# Altium PCB KIPGRDMCU.PcbDoc (part 1 of 2)
Units mm, origin at the board's own origin, x right, y up, seen from the top; angles counter-clockwise.
Board outline 110 x 75 mm, 2 copper layers (Top Layer, Bottom Layer), stack 1.569 mm thick; 130 components, 84 nets, 432 pads, 177 vias.
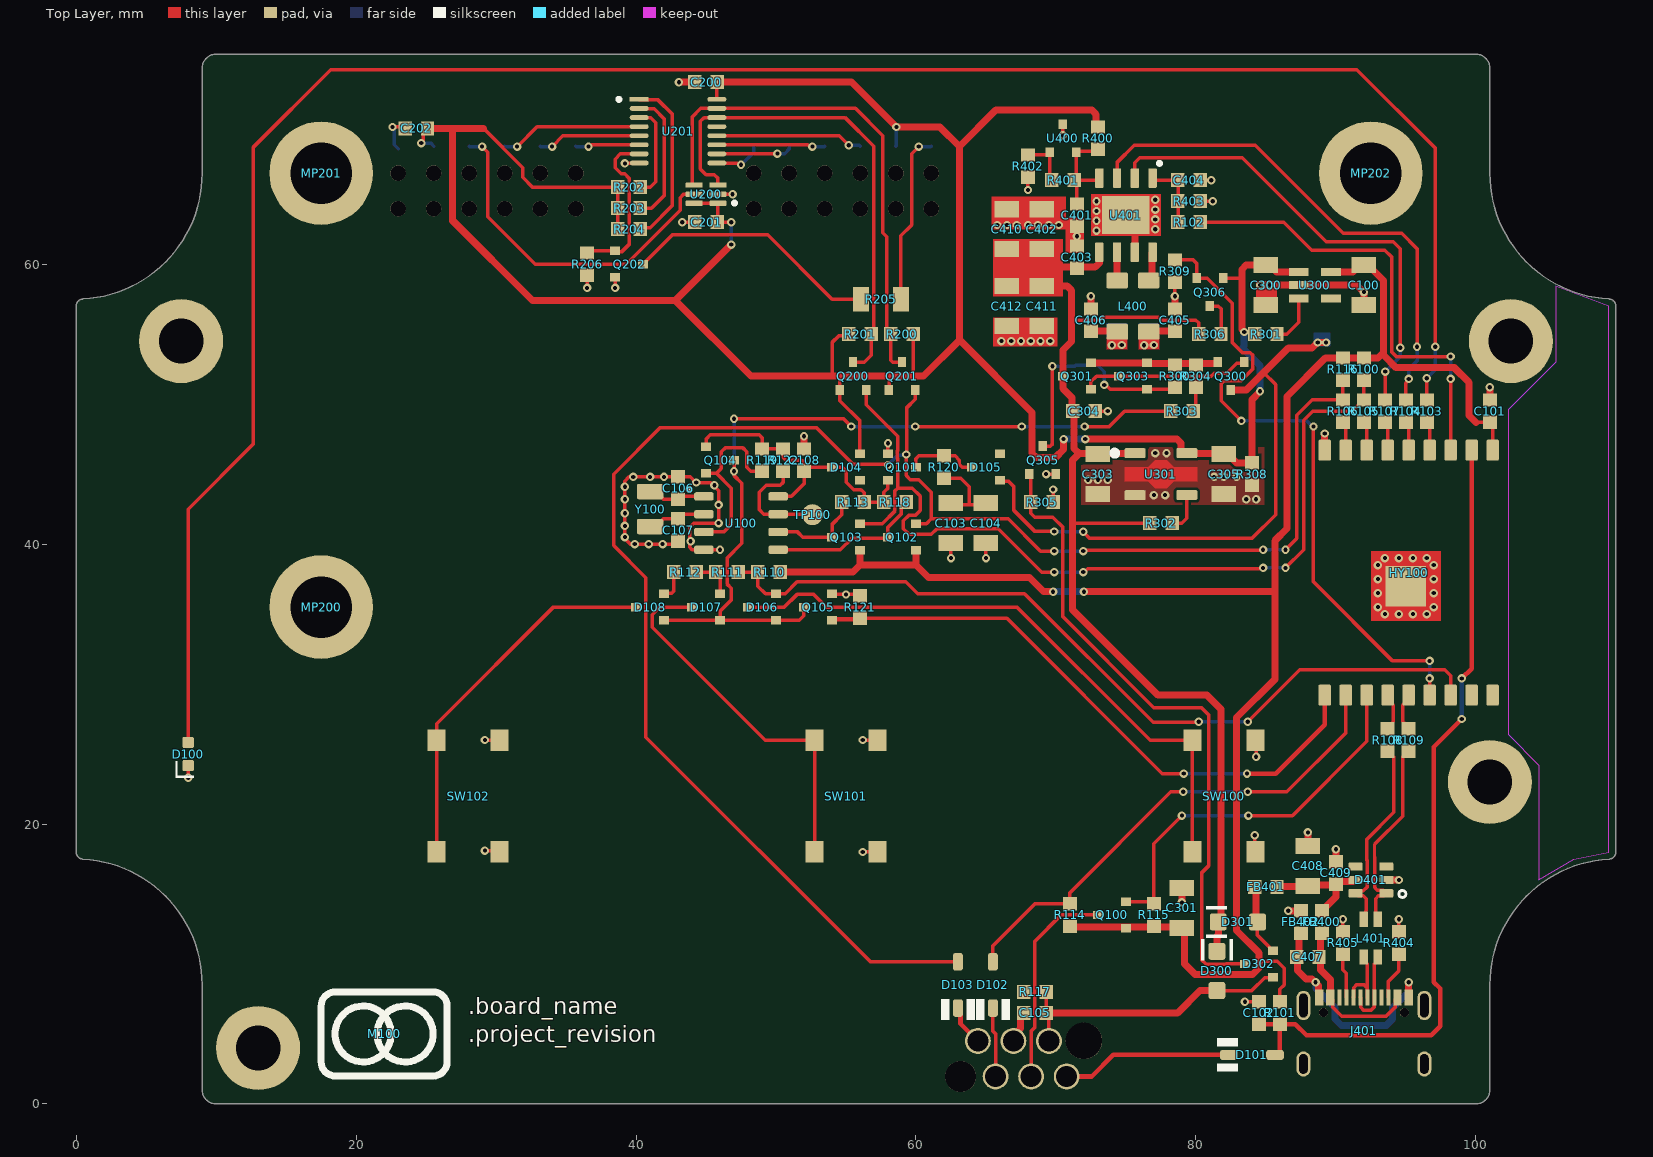
[diagram p0: Top Layer view]
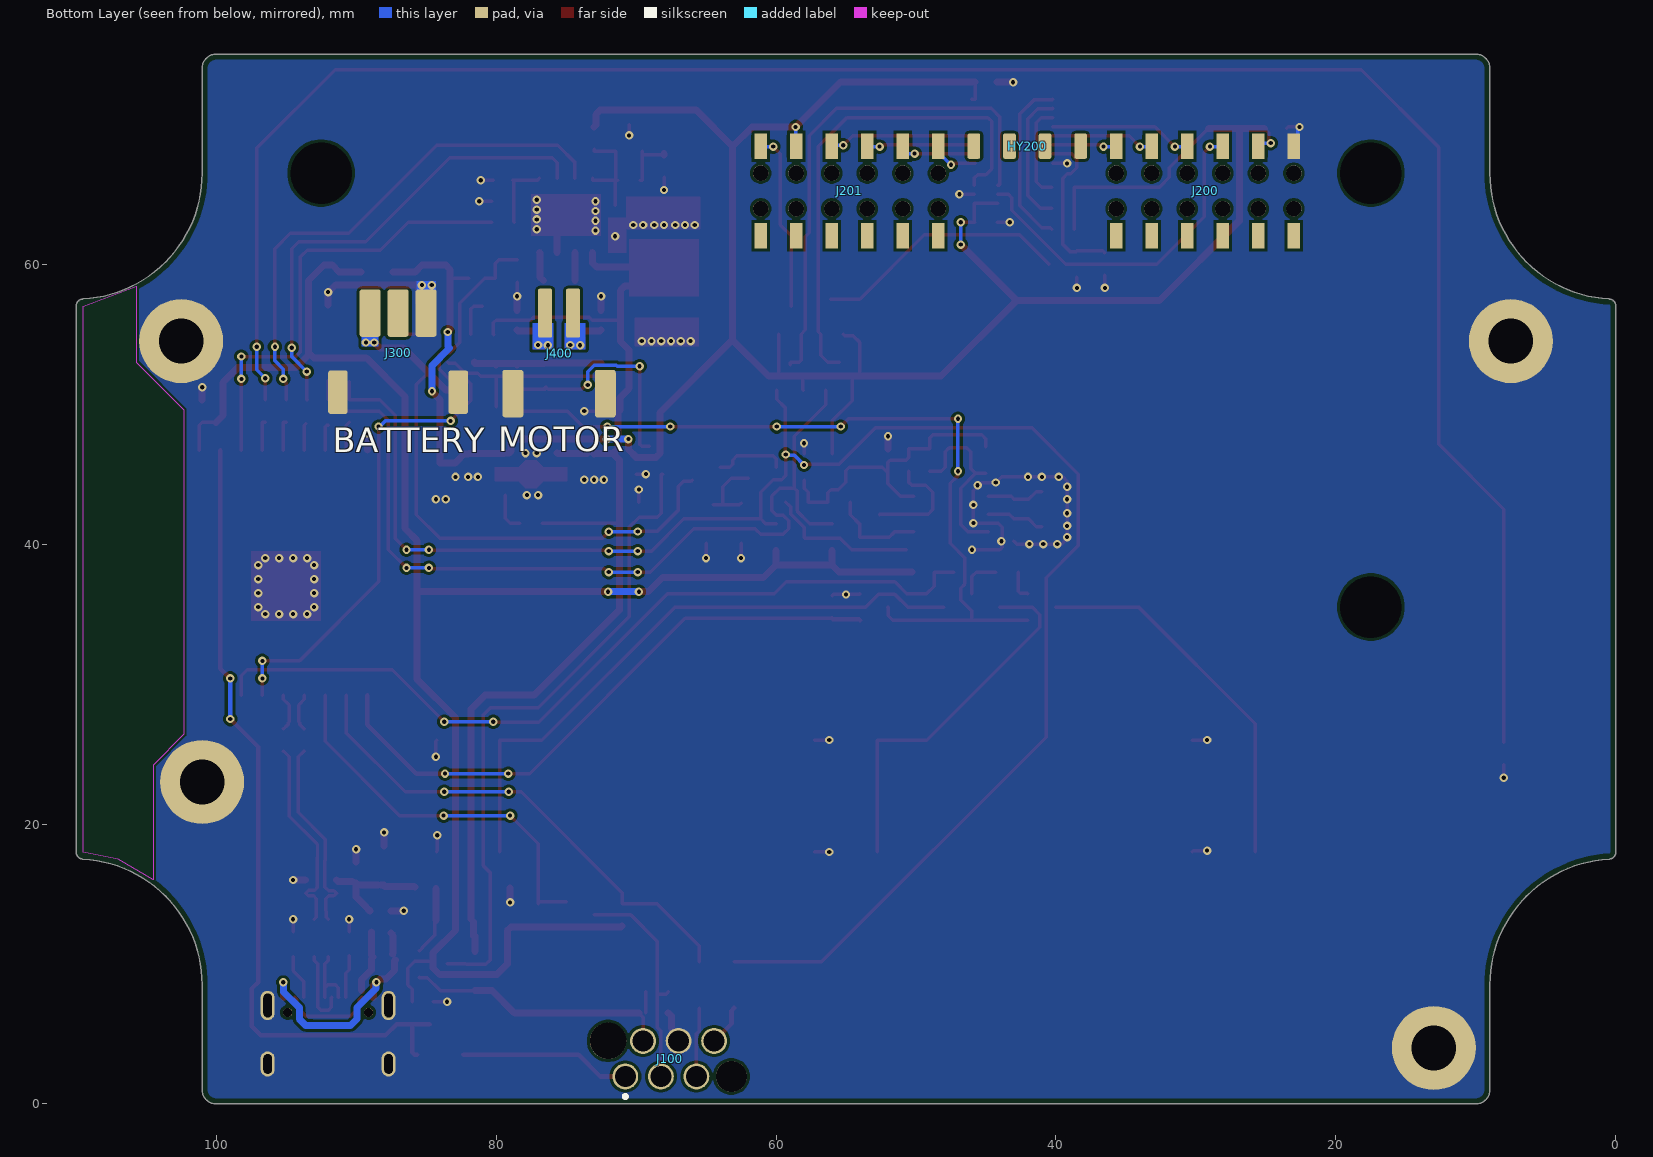
[diagram p1: Bottom Layer view, seen from below]
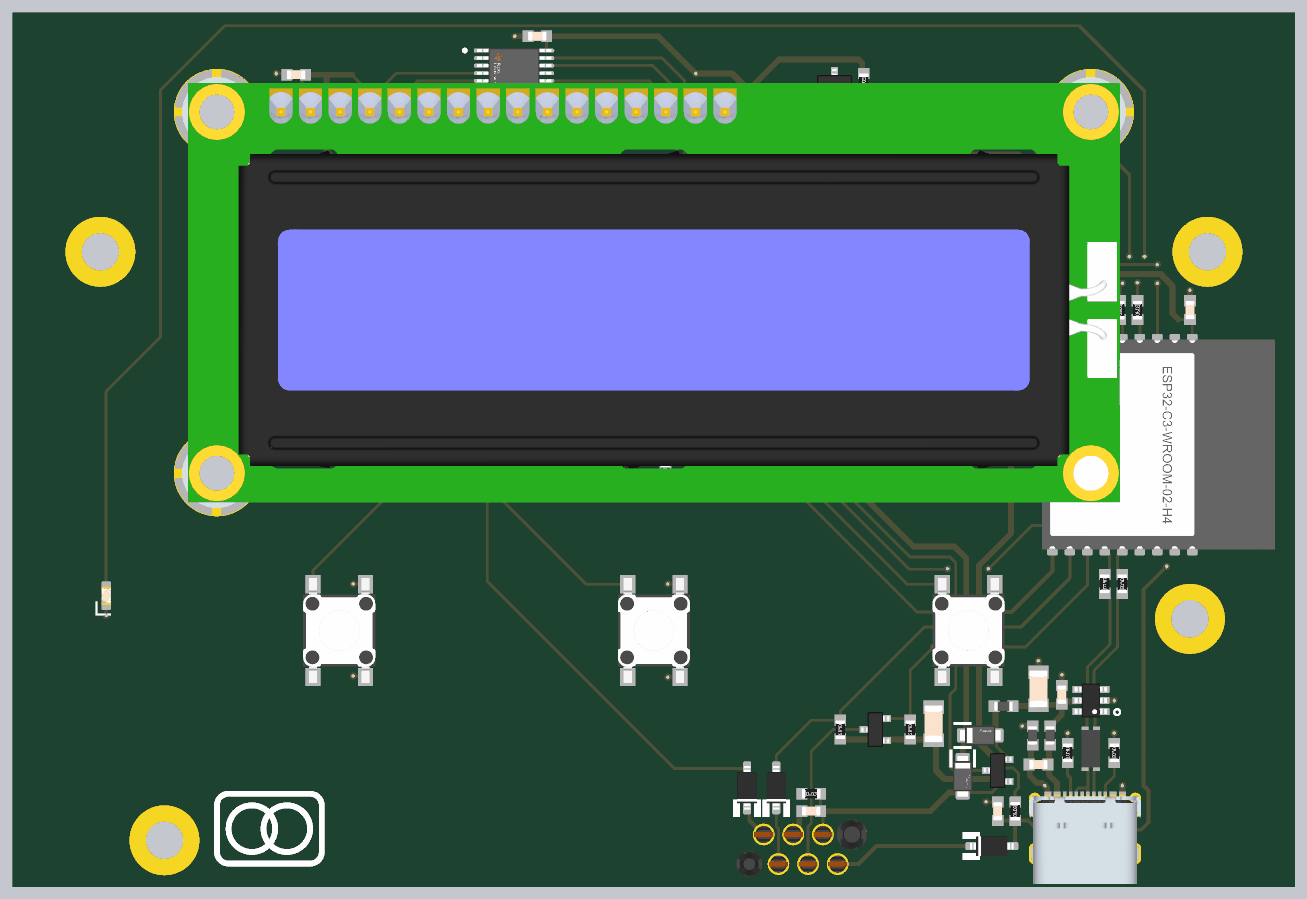
[diagram p3: 3D render of the assembled board from above, using the file's embedded part models]
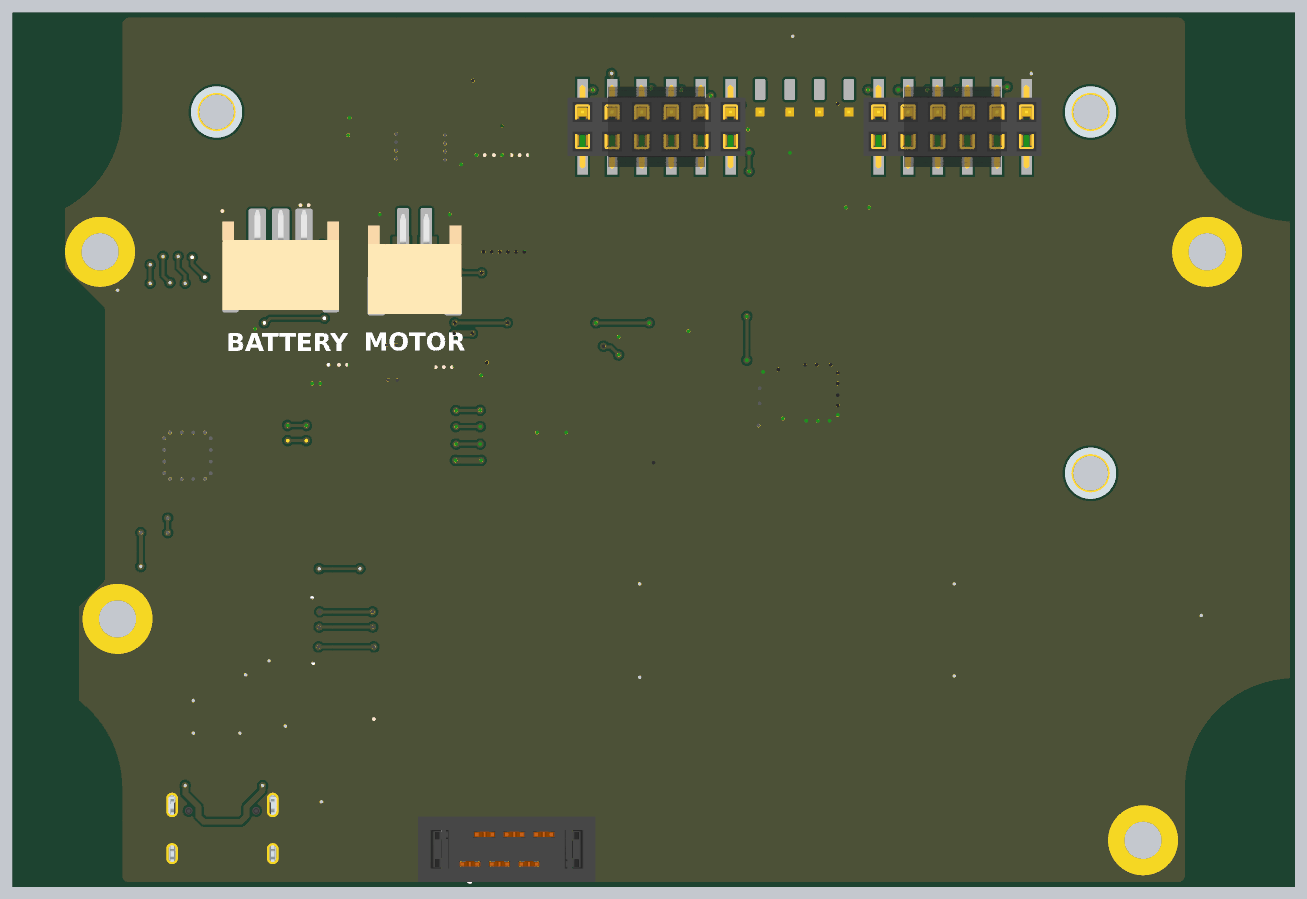
[diagram p4: 3D render of the assembled board from below, using the file's embedded part models]

## Layer stack, top to bottom
Top Solder: solder mask 0.0254, SM-001, Dk 4
Top Layer: signal copper 0.035
Dielectric 1: core 1.4986, Core-043, Dk 4.3
Bottom Layer: signal copper 0.035
Bottom Solder: solder mask 0.0254, SM-001, Dk 4

## Board outline
9,8.5 ccw(c0,8.5) 0.479,17.487 0.479,17.49 cw(c0.5,17.99) 0,18.011 0,56.989 cw(c0.5,57.01) 0.479,57.51 0.479,57.513 ccw(c0,66.5) 9,66.5 9,74 cw(c10,74) 10,75 100,75 cw(c100,74) 101,74 101,66.5 ccw(c110,66.5) 109.521,57.513 109.521,57.51 cw(c109.5,57.01) 110,56.989 110,18.011 cw(c109.5,17.99) 109.521,17.49 109.521,17.487 ccw(c110,8.5) 101,8.5 101,1 cw(c100,1) 100,0 10,0 cw(c10,1) 9,1

## Design rules (kind name [scope] priority, off if disabled: settings)
BoardOutlineClearance [IsElectrical or IsPoly] p1: gap=0.4 ignorepadtopadclearanceinfootprint=FALSE
Clearance Clearance_NTPH_to_Track [IsTrack vs IsPad and IsThruPin and not PadIsPlated] p1: gap=0.254 ignorepadtopadclearanceinfootprint=FALSE
Clearance Clearance_TH_Pad_to_TH_Pad [IsPad and IsThruPin vs IsPad and IsThruPin] p2: gap=0.5 ignorepadtopadclearanceinfootprint=TRUE
Clearance Clearance_SMT_Pad_to_SMT_Pad [IsPad and IsSMTPin vs IsPad and IsSMTPin] p3: gap=0.127 ignorepadtopadclearanceinfootprint=TRUE
Clearance [All] p4: gap=0.2 ignorepadtopadclearanceinfootprint=TRUE except(0.127: SMDPad-SMDPad)
DiffPairsRouting USB_ext_layer_JLCPCB_4layer_7628 [InDifferentialPairClass('All Differential Pairs')] p1: maxlimit=0.33 minlimit=0.29 mostfreqgap=0.31 toplayer_minwidth=0.25 toplayer_maxwidth=0.33 toplayer_prefwidth=0.33 bottomlayer_minwidth=0.25 bottomlayer_maxwidth=0.33 bottomlayer_prefwidth=0.33 maxuncoupledlength=12.7
HoleSize NPTH_HoleSize [IsPad And not PadIsPlated] p1: absolutevalues=TRUE maxlimit=4.4 minlimit=0.2 maxpercent=80.000 minpercent=20.000
HoleSize Pad_HoleSize [IsPad] p2: absolutevalues=TRUE maxlimit=3.2 minlimit=0.5 maxpercent=80.000 minpercent=20.000
HoleSize Via_HoleSize [IsVia] p3: absolutevalues=TRUE maxlimit=6.3 minlimit=0.2 maxpercent=80.000 minpercent=20.000
HoleToHoleClearance [All] p1: gap=0.254 allowstackedmicrovias=FALSE
MatchedLengths USB [InDifferentialPair('USB')] p1: tolerance=0.15 checknetsindiffpair=TRUE checkdiffpairvsdiffpair=FALSE checkxsignals=FALSE checkothers=FALSE
MinimumAnnularRing [All] p1: minimumring=0.13
MinimumSolderMaskSliver [All vs (ispad and PadIsPlated)] p1: minsoldermaskwidth=0.1
PolygonConnect [All] p1: connectstyle=Direct reliefconductorwidth=0.5 reliefentries=4 polygonreliefangle="90 Angle" airgapwidth=0.254
RoutingVias [All] p1: holewidth=0.3 width=0.6 viastyle="Through Hole" minholewidth=0.2 minwidth=0.4 maxholewidth=0.711 maxwidth=1.27
SolderMaskExpansion SolderMaskExpansion_Via [IsVia] p1: expansion=0.102 istentingtop=TRUE
SolderMaskExpansion SolderMaskExpansion_notVia [not IsVia] p2: expansion=0.05 istentingtop=FALSE
Width [All] p1: maxlimit=3 minlimit=0.15 preferedwidth=0.33
26 further rules are at their usual default settings.

## Classes and differential pairs
component class U_Power: C300 C301 C303 C304 C305 D300 D301 D302 J300 Q300 Q301 Q303 Q305 Q306 R300 R301 R302 R303 R304 R305 R306 R308 R309 U300 U301
component class U_Motor: C401 C402 C403 C404 C405 C406 C407 C408 C409 C410 C411 C412 D401 FB400 FB401 FB402 J400 J401 L400 L401 R400 R401 R402 R403 R404 R405 U400 U401
component class U_MCU: C100 C101 C102 C103 C104 C105 C106 C107 C108 D100 D101 D102 D103 D104 D105 D106 D107 D108 HY100 J100 M100 Q100 Q101 Q102 Q103 Q104 Q105 R100 R101 R102 R103 R104 R105 R106 R107 R108 R109 R110 R111 R112 R113 R114 R115 R116 R117 R118 R119 R120 R121 R122 SW100 SW101 SW102 TP100 U100 Y100
component class U_LCD: C200 C201 C202 HY200 J200 J201 MP200 MP201 MP202 Q200 Q201 Q202 R200 R201 R202 R203 R204 R205 R206 U200 U201
differential pair USB: +USB_P -USB_N
differential pair USB.D: +USB.D_P -USB.D_N
differential pair USBDATA.D: +USBDATA.D_P -USBDATA.D_N

## Components (designator, comment, footprint, x,y, rotation, side; value= is the part's Value field where it differs from the comment)
C100 "Capacitor 10µF +/-10% 16V X7R 1206" 1206-C-N 92,58.5 r90 top value=10µF
C101 "Capacitor 100nF +/-10% 10V X7R 0603" 0603-C-N 101,49.5 r270 top value=100nF
C102 "Capacitor 1µF +/-10% 16V X7R 0603" 0603-C-N 84.5,6.5 r270 top value=1µF
C103 "Capacitor 10µF +/-10% 16V X7R 1206" 1206-C-N 62.5,41.5 r90 top value=10µF
C104 "Capacitor 10µF +/-10% 16V X7R 1206" 1206-C-N 65,41.5 r90 top value=10µF
C105 "Capacitor 100nF +/-10% 10V X7R 0603" 0603-C-N 68.5,6.5 r0 top value=100nF
C106 "Capacitor 15 pF +/-5% 50V C0G 0603" 0603-C-N 43,44 r270 top value="15 pF"
C107 "Capacitor 15 pF +/-5% 50V C0G 0603" 0603-C-N 43,41 r90 top value="15 pF"
C108 "Capacitor 100nF +/-10% 10V X7R 0603" 0603-C-N 52,46 r270 top value=100nF
C200 "Capacitor 100nF +/-10% 10V X7R 0603" 0603-C-N 45,73 r0 top value=100nF
C201 "Capacitor 100nF +/-10% 10V X7R 0603" 0603-C-N 45,63 r0 top value=100nF
C202 "Capacitor 100nF +/-10% 10V X7R 0603" 0603-C-N 24.3,69.7 r0 top value=100nF
C300 "Capacitor 10µF +/-10% 16V X7R 1206" 1206-C-N 85,58.5 r270 top value=10µF
C301 "Capacitor 10µF +/-10% 16V X7R 1206" 1206-C-N 79,14 r90 top value=10µF
C303 "Capacitor 10µF +/-10% 16V X7R 1206" 1206-C-N 73,45 r270 top value=10µF
C304 "Capacitor 1µF +/-10% 16V X7R 0603" 0603-C-N 72,49.5 r0 top value=1µF
C305 "Capacitor 10µF +/-10% 16V X7R 1206" 1206-C-N 82,45 r270 top value=10µF
C401 "Capacitor 100nF +/-10% 10V X7R 0603" 0603-C-N 71.5,63.5 r270 top value=100nF
C402 "Capacitor 10µF +/-10% 16V X7R 1206" 1206-C-N 69,62.5 r270 top value=10µF
C403 "Capacitor 100nF +/-10% 10V X7R 0603" 0603-C-N 71.5,60.5 r90 top value=100nF
C404 "Capacitor 10nF +/-10% 16V X7R 0603" 0603-C-N 79.5,66 r180 top value=10nF
C405 "Capacitor 10nF +/-10% 16V X7R 0603" 0603-C-N 78.5,56 r270 top value=10nF
C406 "Capacitor 10nF +/-10% 16V X7R 0603" 0603-C-N 72.5,56 r270 top value=10nF
C407 "Capacitor 100nF +/-10% 10V X7R 0603" 0603-C-N 88,10.5 r0 top value=100nF
C408 "Capacitor 10µF +/-10% 16V X7R 1206" 1206-C-N 88,17 r270 top value=10µF
C409 "Capacitor 100nF +/-10% 10V X7R 0603" 0603-C-N 90,16.5 r270 top value=100nF
C410 "Capacitor 10µF +/-10% 16V X7R 1206" 1206-C-N 66.5,62.5 r270 top value=10µF
C411 "Capacitor 10µF +/-10% 16V X7R 1206" 1206-C-N 69,57 r90 top value=10µF
C412 "Capacitor 10µF +/-10% 16V X7R 1206" 1206-C-N 66.5,57 r90 top value=10µF
D100 "150060RS86000" WL-SMCW_0603_150060xx8x000 8,25 r90 top locked
D101 "BAT54T1G" SOD-123-N 84,3.5 r0 top value=30V/0.2A
D102 "BAT54T1G" SOD-123-N 65.5,8.5 r90 top value=30V/0.2A
D103 "BAT54T1G" SOD-123-N 63,8.5 r90 top value=30V/0.2A
D104 "BAV170,215" SOT-23-3-N 55,45.5 r180 top
D105 "BAV170,215" SOT-23-3-N 65,45.5 r180 top
D106 "BAV170,215" SOT-23-3-N 49,35.5 r180 top
D107 "BAV170,215" SOT-23-3-N 45,35.5 r180 top
D108 "BAV170,215" SOT-23-3-N 41,35.5 r180 top
D300 "PMEG10020ELRX" FP-SOD123W-MFG 81.5,9.5 r270 top
D301 "PMEG10020ELRX" FP-SOD123W-MFG 83,13 r0 top
D302 "BAV170,215" SOT-23-3-N 84.5,10 r180 top
D401 "824015" SOT-23-6 92.5,16 r180 top
FB400 "742792651" 0603-FB-N 89,13 r90 top
FB401 "742792651" 0603-FB-N 85,15.5 r180 top
FB402 "742792651" 0603-FB-N 87.5,13 r90 top
HY100 "ESP32-C3-WROOM-02" ESP32­C3­WROOM­02 88.3,46.96 r270 top locked
HY200 "LCD_1602" LCD_1602-BottomEntry 55,51 r0 top locked
J100 "490107670612" "490107670612_Debugging Application" 67.595,3.23 r0 bottom
J200 "610312243021" 610312243021 29.35,65.23 r0 bottom locked
J201 "610312243021" 610312243021 54.75,65.23 r0 bottom locked
J300 "620103131822" 620103131822 87,53.3 r180 bottom locked
J400 "620102131822" 620102131822 75.5,54.75 r180 bottom locked
J401 "629722000214" 629722000214 92,4 r0 top locked
L400 "744235900" WE-CNSW_1812 75.5,57 r90 top
L401 "744232090" WE-CNSW_1206 92.5,11.85 r90 top
M100 "Logo" LOGO_9x6mm 22,5 r180 top
MP200 "9774030960R" 9774030960 17.5,35.5 r0 top
MP201 "9774030960R" 9774030960 17.5,66.5 r0 top
MP202 "9774030960R" 9774030960 92.5,66.5 r0 top
Q100 "FDV301N" SOT-23-3-N 74,13.5 r180 top
Q101 "BSS169IXTSA1" SOT-23-3-N 59,45.5 r0 top
Q102 "FDV301N" SOT-23-3-N 59,40.5 r180 top
Q103 "FDV301N" SOT-23-3-N 55,40.5 r180 top
Q104 "FDV301N" SOT-23-3-N 46,46 r0 top
Q105 "FDV301N" SOT-23-3-N 53,35.5 r180 top
Q200 "FDV301N" SOT-23-3-N 55.5,52 r90 top
Q201 "FDV301N" SOT-23-3-N 59,52 r90 top
Q202 "FDV301N" SOT-23-3-N 39.5,60 r0 top
Q300 "SI3401A-TP" SOT-23-3-N 82.5,52 r270 top
Q301 "SI3401A-TP" SOT-23-3-N 71.5,52 r180 top
Q303 "SI3401A-TP" SOT-23-3-N 75.5,52 r180 top
Q305 "FDV301N" SOT-23-3-N 69.05,46 r90 top
Q306 "FDV301N" SOT-23-3-N 81,58 r270 top
R100 "Resistor 3.3k +/-1% 75V 0603" 0603-R-N 92,52.5 r90 top value=3.3k
R101 "Resistor 3.3k +/-1% 75V 0603" 0603-R-N 86,6.5 r90 top value=3.3k
R102 "Resistor 3.3k +/-1% 75V 0603" 0603-R-N 79.5,63 r180 top value=3.3k
R103 "Resistor 100R +/-1% 75V 0603" 0603-R-N 96.5,49.5 r90 top value=100
R104 "Resistor 22R +/-1% 75V 0603" 0603-R-N 95,49.5 r90 top value=22
R105 "Resistor 22R +/-1% 75V 0603" 0603-R-N 92,49.5 r90 top value=22
R106 "Resistor 22R +/-1% 75V 0603" 0603-R-N 90.5,49.5 r90 top value=22
R107 "Resistor 22R +/-1% 75V 0603" 0603-R-N 93.5,49.5 r90 top value=22
R108 "Resistor 22R +/-1% 75V 0603" 0603-R-N 93.7,26 r270 top value=22
R109 "Resistor 22R +/-1% 75V 0603" 0603-R-N 95.2,26 r270 top value=22
R110 "Resistor 3.3k +/-1% 75V 0603" 0603-R-N 49.5,38 r0 top value=3.3k
R111 "Resistor 3.3k +/-1% 75V 0603" 0603-R-N 46.5,38 r0 top value=3.3k
R112 "Resistor 3.3k +/-1% 75V 0603" 0603-R-N 43.5,38 r0 top value=3.3k
R113 "Resistor 3.3k +/-1% 75V 0603" 0603-R-N 55.5,43 r0 top value=3.3k
R114 "Resistor 3.3k +/-1% 75V 0603" 0603-R-N 71,13.5 r270 top value=3.3k
R115 "Resistor 3.3k +/-1% 75V 0603" 0603-R-N 77,13.5 r270 top value=3.3k
R116 "Resistor 3.3k +/-1% 75V 0603" 0603-R-N 90.5,52.5 r90 top value=3.3k
R117 "Resistor 3.3k +/-1% 75V 0603" 0603-R-N 68.5,8 r0 top value=3.3k
R118 "Resistor 3.3k +/-1% 75V 0603" 0603-R-N 58.5,43 r180 top value=3.3k
R119 "Resistor 100k +/-1% 75V 0603" 0603-R-N 49,46 r270 top value=100k
R120 "Resistor 100R +/-1% 75V 0603" 0603-R-N 62,45.5 r270 top value=100
R121 "Resistor 100k +/-1% 75V 0603" 0603-R-N 56,35.5 r90 top value=100k
R122 "Resistor 100k +/-1% 75V 0603" 0603-R-N 50.5,46 r270 top value=100k
R200 "Resistor 3.3k +/-1% 75V 0603" 0603-R-N 59,55 r0 top value=3.3k
R201 "Resistor 3.3k +/-1% 75V 0603" 0603-R-N 56,55 r180 top value=3.3k
R202 "Resistor 10k +/-0.05% 75V 0603" 0603-R-N 39.5,65.5 r180 top value=10k
R203 "Resistor 10k +/-0.05% 75V 0603" 0603-R-N 39.5,64 r180 top value=10k
R204 "Resistor 10k +/-0.05% 75V 0603" 0603-R-N 39.5,62.5 r180 top value=10k
R205 "Jumper 0R <50 mOhm 2A 1206" 1206-R-N 57.5,57.5 r0 top value=0
R206 "Resistor 10k +/-0.05% 75V 0603" 0603-R-N 36.5,60 r90 top value=10k
R300 "Resistor 100k +/-1% 75V 0603" 0603-R-N 78.5,52 r90 top value=100k
R301 "Jumper 0R <50 mOhm 1A 0603" 0603-R-N 85,55 r0 top value=0
R302 "Resistor 100k +/-1% 75V 0603" 0603-R-N 77.5,41.5 r0 top value=100k
R303 "Resistor 10k +/-1% 75V 0603" 0603-R-N 79,49.5 r0 top value=10k
R304 "Resistor 100k +/-1% 75V 0603" 0603-R-N 80,52 r90 top value=100k
R305 "Resistor 100k +/-1% 75V 0603" 0603-R-N 69,43 r180 top value=100k
R306 "Resistor 10k +/-1% 75V 0603" 0603-R-N 81,55 r180 top value=10k
R308 "Resistor 100k +/-1% 75V 0603" 0603-R-N 84,45 r270 top value=100k
R309 "Resistor 3.3k +/-1% 75V 0603" 0603-R-N 78.5,59.5 r270 top value=3.3k
R400 "Resistor 1k +/-1% 75V 0603" 0603-R-N 73,69 r90 top value=1k
R401 "Resistor 22k +/-1% 0.1W 0603" 0603-R-N 70.5,66 r0 top value=22k
R402 "Resistor 27K +/-1% 0.1W 0603" 0603-R-N 68,67 r90 top value=27k
R403 "Resistor 15k +/- 1% 0.1W 0603" 0603-R-N 79.5,64.5 r180 top value=15k
R404 "Resistor 5.1k +/-1% 75V 0603" 0603-R-N 94.5,11.5 r270 top value=5.1k
R405 "Resistor 5.1k +/-1% 75V 0603" 0603-R-N 90.5,11.5 r270 top value=5.1k
SW100 "430182043816" WS-TASV_L6W6H4.3_4301x20438x6 82,22 r90 top locked
SW101 "430182043816" WS-TASV_L6W6H4.3_4301x20438x6 55,22 r90 top locked
SW102 "430182043816" WS-TASV_L6W6H4.3_4301x20438x6 28,22 r90 top locked
TP100 "Testpad with multiple sizes" TP_1.5mm 52.6,42.1 r90 top
U100 "PT7C4337WEX" SOIC8_N 47.5,41.5 r0 top
U200 "MCP40D18T-103E/LT" SOT363-N 45,65 r180 top value=10kR
U201 "TCA9534PWR" TSSOP16-0.65-4.4-L 43,69.5 r0 top
U300 "XC6220B331MR-G" SOT25-N 88.5,58.5 r0 top
U301 "R1500H050B-T1-FE" SOT-89-MT5_N 77.5,45 r0 top
U400 "TLV431BSN1T1G" SOT-23-3-N 70.5,69 r90 top
U401 "DRV8231ADDAR" SOIC8_N_EP 75,63.5 r270 top
Y100 "830009678" WE-XTAL_CFPX-217 41,42.5 r270 top
